# KiCad board Soft_Power_Switch_panelized.kicad_pcb (continued)
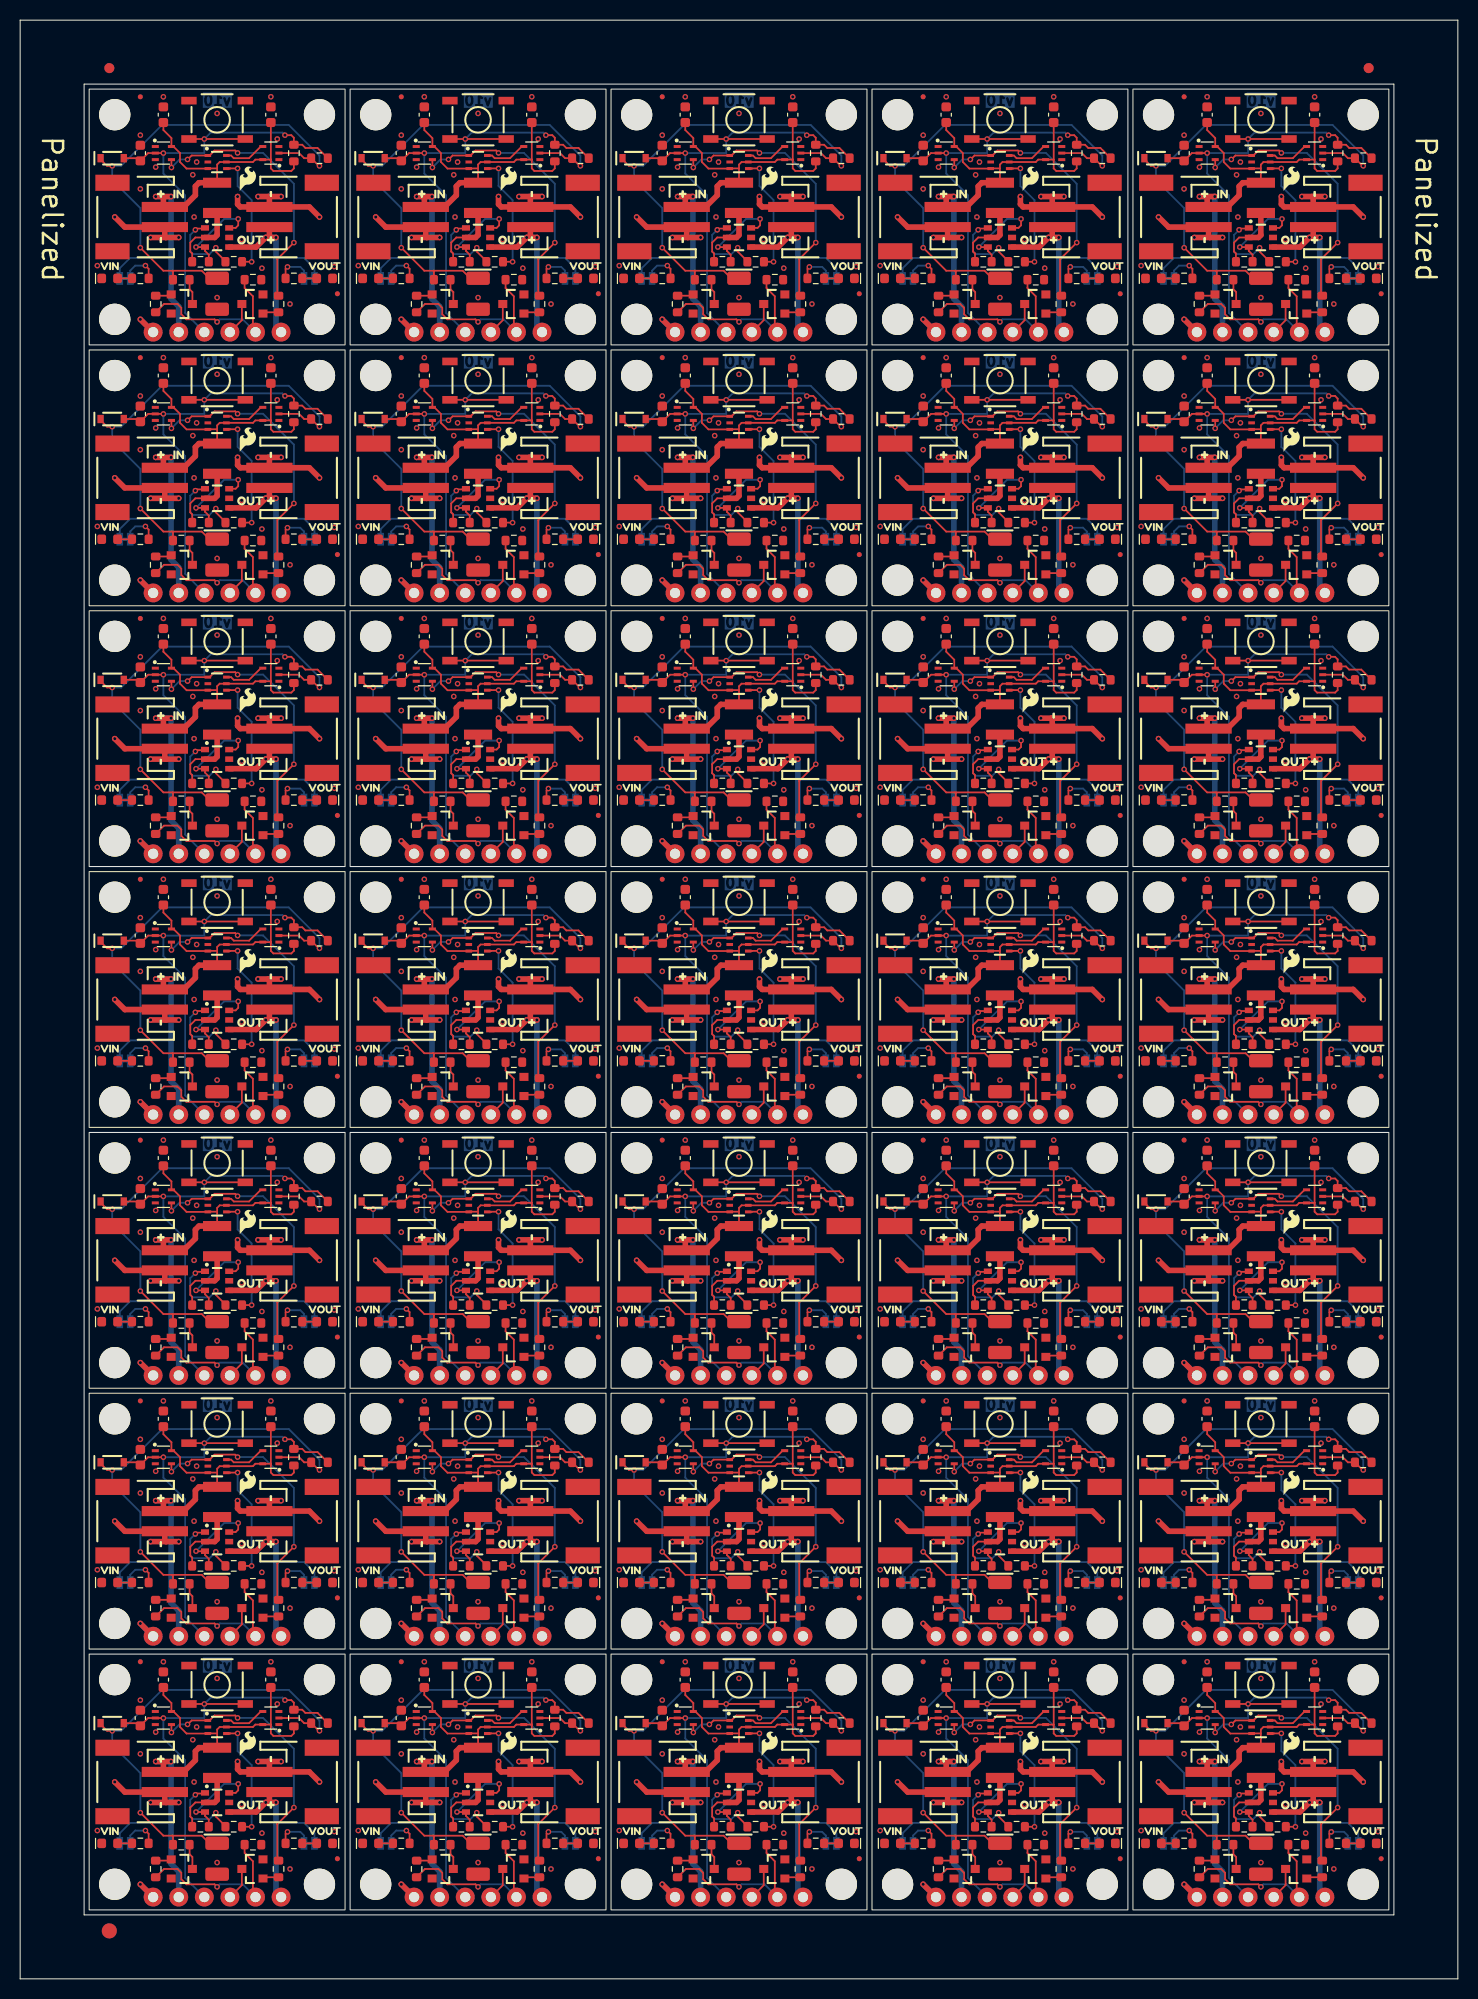
[diagram p0: board, top side]
## Routing (per net, layer and track width the routed paths; a pad name or vN(x,y) marks a point on that pad's centre or on a via; arc(x,y) is an arc through that point) (continued)
  Bottom w0.178: JP2#22.2 81.01,92.16 79.99,93.19 77.19,93.19 ; 103.09,170.89 105.89,170.89 106.91,169.86 JP2#31.2 ; JP2#8.2 55.11,143.96 54.09,144.99 51.29,144.99 ; JP2#10.2 132.81,66.26 131.79,67.29 128.99,67.29 ; 25.39,41.39 28.19,41.39 29.21,40.36 JP2#16.2 ; JP2#14.2 29.21,14.46 28.19,15.49 25.39,15.49 ; JP2#18.2 81.01,14.46 79.99,15.49 77.19,15.49 ; 128.99,41.39 131.79,41.39 132.81,40.36 JP2#28.2 ; JP2#33.2 132.81,118.06 131.79,119.09 128.99,119.09 ; JP2#4.2 106.91,66.26 105.89,67.29 103.09,67.29 ; JP2#7.2 55.11,66.26 54.09,67.29 51.29,67.29 ; 103.09,119.09 105.89,119.09 106.91,118.06 JP2#21.2 ; 128.99,144.99 131.79,144.99 132.81,143.96 JP2#23.2 ; 51.29,41.39 54.09,41.39 55.11,40.36 JP2.2 ; 77.19,41.39 79.99,41.39 81.01,40.36 JP2#32.2 ; JP2#3.2 29.21,143.96 28.19,144.99 25.39,144.99 ; JP2#34.2 106.91,14.46 105.89,15.49 103.09,15.49 ; JP2#24.2 132.81,92.16 131.79,93.19 128.99,93.19 ; 103.09,41.39 105.89,41.39 106.91,40.36 JP2#29.2 ; JP2#26.2 55.11,92.16 54.09,93.19 51.29,93.19 ; 77.19,119.09 79.99,119.09 81.01,118.06 JP2#9.2 ; 77.19,144.99 79.99,144.99 81.01,143.96 JP2#27.2 ; JP2#6.2 132.81,169.86 131.79,170.89 128.99,170.89 ; JP2#2.2 29.21,66.26 28.19,67.29 25.39,67.29 ; 51.29,15.49 54.09,15.49 55.11,14.46 JP2#20.2 ; 77.19,67.29 79.99,67.29 81.01,66.26 JP2#5.2 ; 51.29,119.09 54.09,119.09 55.11,118.06 JP2#17.2 ; JP2#35.2 81.01,169.86 79.99,170.89 77.19,170.89 ; JP2#13.2 132.81,14.46 131.79,15.49 128.99,15.49 ; 25.39,119.09 28.19,119.09 29.21,118.06 JP2#15.2 ; 25.39,93.19 28.19,93.19 29.21,92.16 JP2#30.2 ; JP2#11.2 106.91,143.96 105.89,144.99 103.09,144.99 ; 103.09,93.19 105.89,93.19 106.91,92.16 JP2#12.2 ; 51.29,170.89 54.09,170.89 55.11,169.86 JP2#25.2 ; JP2#19.2 29.21,169.86 28.19,170.89 25.39,170.89
  Bottom w0.559: J3#6.1 128.99,86.33 v1(128.99,95.22) v1(127.98,95.22) ; J3#35.1 103.09,164.03 v1(103.09,172.92) v1(102.08,172.92) ; J3#17.1 51.29,8.63 v1(51.29,17.52) v1(50.28,17.52) ; J3#3.1 51.29,34.53 v1(51.29,43.42) v1(50.28,43.42) ; v1(102.08,95.22) v1(103.09,95.22) 103.09,86.33 J3#19.1 ; v1(24.38,95.22) v1(25.39,95.22) 25.39,86.33 J3#26.1 ; J3#23.1 51.29,138.13 v1(51.29,147.02) v1(50.28,147.02) ; J3#14.1 77.19,86.33 v1(77.19,95.22) v1(76.18,95.22) ; v1(76.18,69.32) v1(77.19,69.32) 77.19,60.43 J3#22.1 ; v1(102.08,69.32) v1(103.09,69.32) 103.09,60.43 J3#34.1 ; J3#20.1 77.19,138.13 v1(77.19,147.02) v1(76.18,147.02) ; v1(24.38,69.32) v1(25.39,69.32) 25.39,60.43 J3#29.1 ; J3#13.1 103.09,34.53 v1(103.09,43.42) v1(102.08,43.42) ; J3#16.1 103.09,138.13 v1(103.09,147.02) v1(102.08,147.02) ; v1(50.28,69.32) v1(51.29,69.32) 51.29,60.43 J3#30.1 ; J3#28.1 25.39,164.03 v1(25.39,172.92) v1(24.38,172.92) ; J3#24.1 51.29,112.23 v1(51.29,121.12) v1(50.28,121.12) ; J3#9.1 77.19,34.53 v1(77.19,43.42) v1(76.18,43.42) ; J3#2.1 25.39,8.63 v1(25.39,17.52) v1(24.38,17.52) ; v1(127.98,17.52) v1(128.99,17.52) 128.99,8.63 J3#8.1 ; v1(76.18,17.52) v1(77.19,17.52) 77.19,8.63 J3#12.1 ; v1(127.98,69.32) v1(128.99,69.32) 128.99,60.43 J3#25.1 ; v1(76.18,121.12) v1(77.19,121.12) 77.19,112.23 J3#10.1 ; v1(102.08,17.52) v1(103.09,17.52) 103.09,8.63 J3#18.1 ; v1(24.38,43.42) v1(25.39,43.42) 25.39,34.53 J3#31.1 ; J3#15.1 25.39,138.13 v1(25.39,147.02) v1(24.38,147.02) ; J3#32.1 128.99,164.03 v1(128.99,172.92) v1(127.98,172.92) ; v1(127.98,43.42) v1(128.99,43.42) 128.99,34.53 J3#27.1 ; J3.1 77.19,164.03 v1(77.19,172.92) v1(76.18,172.92) ; J3#11.1 51.29,164.03 v1(51.29,172.92) v1(50.28,172.92) ; J3#7.1 128.99,112.23 v1(128.99,121.12) v1(127.98,121.12) ; J3#33.1 25.39,112.23 v1(25.39,121.12) v1(24.38,121.12) ; J3#21.1 51.29,86.33 v1(51.29,95.22) v1(50.28,95.22) ; J3#5.1 128.99,138.13 v1(128.99,147.02) v1(127.98,147.02) ; J3#4.1 103.09,112.23 v1(103.09,121.12) v1(102.08,121.12)
Net-(C2-Pad1): length 1742.8
  Top w0.178: D1#12.C 7.99,128.87 8.62,128.23 v1(9.14,128.23) ; 15.11,169.62 14.22,169.62 v1(11.93,171.9) 11.99,171.9 ; 15.11,169.62 15.17,169.55 R5#16.1 ; 15.11,169.62 18.03,169.62 18.84,168.81 19.55,168.81 ; 19.55,117 18.84,117 18.03,117.82 15.11,117.82 ; v1(133.31,50.53) 133.25,50.53 R2#17.1 131.79,51.29 131.28,51.8 U3#24.2 ; D1#3.C 7.99,51.17 8.62,50.53 v1(9.14,50.53) ; v1(112.74,76.43) 112.22,76.43 111.59,77.07 D1#13.C ; U3#15.2 79.48,77.7 79.99,77.19 R2#32.1 81.45,76.43 v1(81.51,76.43) ; 63.79,146 v1(63.73,146) 66.02,143.72 66.91,143.72 ; v1(9.14,24.63) 8.62,24.63 7.99,25.27 D1#9.C ; 115.59,68.3 v1(115.53,68.3) 117.82,66.02 118.71,66.02 ; 41,14.22 43.93,14.22 44.74,13.41 45.45,13.41 ; 41,14.22 41.07,14.15 41.07,13.33 ; 41,14.22 40.12,14.22 v1(37.83,16.5) 37.89,16.5 ; v1(86.84,128.23) 86.32,128.23 85.69,128.87 D1#10.C ; 71.35,65.2 70.64,65.2 69.83,66.02 66.91,66.02 ; 66.91,14.22 66.02,14.22 v1(63.73,16.5) 63.79,16.5 ; 66.91,14.22 66.97,14.15 66.97,13.33 ; 66.91,14.22 69.83,14.22 70.64,13.41 71.35,13.41 ; v1(29.71,24.63) 29.65,24.63 28.88,25.39 28.19,25.39 27.68,25.9 U3#25.2 ; 37.89,42.4 v1(37.83,42.4) 40.12,40.12 41,40.12 ; 41,40.12 43.93,40.12 44.74,39.31 45.45,39.31 ; 41,40.12 41.07,40.05 41.07,39.23 ; v1(29.71,180.03) 29.65,180.03 28.88,180.79 28.19,180.79 27.68,181.3 U3#29.2 ; v1(133.31,180.03) 133.25,180.03 R2#23.1 131.79,180.79 131.28,181.3 U3#20.2 ; R5#21.1 92.87,91.85 92.81,91.92 ; R5#20.1 92.87,14.15 92.81,14.22 ; 41,117.82 41.07,117.75 41.07,116.93 ; 41,117.82 40.12,117.82 v1(37.83,120.1) 37.89,120.1 ; 41,117.82 43.93,117.82 44.74,117 45.45,117 ; 19.55,91.11 18.84,91.11 18.03,91.92 15.11,91.92 ; v1(86.84,76.43) 86.32,76.43 85.69,77.07 D1#7.C ; D1#34.C 85.69,102.97 86.32,102.33 v1(86.84,102.33) ; v1(133.31,154.13) 133.25,154.13 R2#21.1 131.79,154.89 131.28,155.4 U3#11.2 ; 66.91,40.12 66.02,40.12 v1(63.73,42.4) 63.79,42.4 ; 66.91,40.12 69.83,40.12 70.64,39.31 71.35,39.31 ; 66.91,40.12 66.97,40.05 66.97,39.23 ; v1(107.41,128.23) 107.35,128.23 R2#3.1 105.89,128.99 105.38,129.5 U3#6.2 ; v1(55.61,76.43) 55.55,76.43 54.78,77.19 54.09,77.19 53.58,77.7 U3#27.2 ; v1(81.51,180.03) 81.45,180.03 R2#16.1 79.99,180.79 79.48,181.3 U3#13.2 ; U3#35.2 53.58,181.3 54.09,180.79 54.78,180.79 55.55,180.03 v1(55.61,180.03) ; 89.69,42.4 v1(89.63,42.4) 91.92,40.12 92.81,40.12 ; 37.89,94.2 v1(37.83,94.2) 40.12,91.92 41,91.92 ; 118.71,117.82 121.63,117.82 122.44,117 123.15,117 ; 118.71,117.82 118.77,117.75 R5#15.1 ; 118.71,117.82 117.82,117.82 v1(115.53,120.1) 115.59,120.1 ; U3#23.2 27.68,129.5 28.19,128.99 28.88,128.99 29.65,128.23 v1(29.71,128.23) ; 97.25,117 96.54,117 95.73,117.82 92.81,117.82 ; 41,143.72 43.93,143.72 44.74,142.91 45.45,142.91 ; 41,143.72 40.12,143.72 v1(37.83,146) 37.89,146 ; 41,143.72 41.07,143.65 41.07,142.83 ; 92.81,66.02 92.87,65.95 R5#14.1 ; 92.81,66.02 91.92,66.02 v1(89.63,68.3) 89.69,68.3 ; 92.81,66.02 95.73,66.02 96.54,65.2 97.25,65.2 ; D1#27.C 33.89,154.77 34.52,154.13 v1(35.04,154.13) ; v1(60.94,154.13) 60.42,154.13 59.79,154.77 D1.C ; 63.79,94.2 v1(63.73,94.2) 66.02,91.92 66.91,91.92 ; U3#26.2 131.28,129.5 131.79,128.99 R2#19.1 133.25,128.23 v1(133.31,128.23) ; 97.25,13.41 96.54,13.41 95.73,14.22 92.81,14.22 ; v1(133.31,102.33) 133.25,102.33 R2#12.1 131.79,103.09 131.28,103.6 U3#9.2 ; 66.91,91.92 66.97,91.85 66.97,91.03 ; 66.91,91.92 69.83,91.92 70.64,91.11 71.35,91.11 ; 89.69,16.5 v1(89.63,16.5) 91.92,14.22 92.81,14.22 ; 11.99,94.2 v1(11.93,94.2) 14.22,91.92 15.11,91.92 ; 15.11,14.22 15.17,14.15 R5#13.1 ; 15.11,14.22 14.22,14.22 v1(11.93,16.5) 11.99,16.5 ; 15.11,14.22 18.03,14.22 18.84,13.41 19.55,13.41 ; D1#21.C 85.69,180.67 86.32,180.03 v1(86.84,180.03) ; D1#5.C 7.99,180.67 8.62,180.03 v1(9.14,180.03) ; R5#29.1 15.17,143.65 15.11,143.72 ; v1(81.51,102.33) 81.45,102.33 R2#2.1 79.99,103.09 79.48,103.6 U3#33.2 ; 92.81,117.82 92.87,117.75 R5#7.1 ; 92.81,117.82 91.92,117.82 v1(89.63,120.1) 89.69,120.1 ; v1(60.94,76.43) 60.42,76.43 59.79,77.07 D1#2.C ; R5#11.1 92.87,40.05 92.81,40.12 ; v1(35.04,180.03) 34.52,180.03 33.89,180.67 D1#11.C ; 15.11,143.72 14.22,143.72 v1(11.93,146) 11.99,146 ; 15.11,143.72 18.03,143.72 18.84,142.91 19.55,142.91 ; 41,91.92 43.93,91.92 44.74,91.11 45.45,91.11 ; 41,91.92 41.07,91.85 41.07,91.03 ; U3#5.2 53.58,51.8 54.09,51.29 54.78,51.29 55.55,50.53 v1(55.61,50.53) ; v1(60.94,102.33) 60.42,102.33 59.79,102.97 D1#26.C ; D1#32.C 59.79,51.17 60.42,50.53 v1(60.94,50.53) ; 118.71,40.12 121.63,40.12 122.44,39.31 123.15,39.31 ; 118.71,40.12 118.77,40.05 R5#35.1 ; 118.71,40.12 117.82,40.12 v1(115.53,42.4) 115.59,42.4 ; 118.71,169.62 121.63,169.62 122.44,168.81 123.15,168.81 ; 118.71,169.62 118.77,169.55 R5#32.1 ; 118.71,169.62 117.82,169.62 v1(115.53,171.9) 115.59,171.9 ; 15.11,91.92 15.17,91.85 R5#19.1 ; v1(107.41,50.53) 107.35,50.53 R2#31.1 105.89,51.29 105.38,51.8 U3#12.2 ; D1#19.C 33.89,51.17 34.52,50.53 v1(35.04,50.53) ; 92.81,169.62 91.92,169.62 v1(89.63,171.9) 89.69,171.9 ; 92.81,169.62 92.87,169.55 R5#27.1 ; 92.81,169.62 95.73,169.62 96.54,168.81 97.25,168.81 ; 11.99,42.4 v1(11.93,42.4) 14.22,40.12 15.11,40.12 ; 66.91,143.72 69.83,143.72 70.64,142.91 71.35,142.91 ; 66.91,143.72 66.97,143.65 66.97,142.83 ; 92.81,40.12 95.73,40.12 96.54,39.31 97.25,39.31 ; v1(112.74,180.03) 112.22,180.03 111.59,180.67 D1#14.C ; U3#17.2 105.38,103.6 105.89,103.09 R2#29.1 107.35,102.33 v1(107.41,102.33) ; 115.59,16.5 v1(115.53,16.5) 117.82,14.22 118.71,14.22 ; D1#15.C 7.99,77.07 8.62,76.43 v1(9.14,76.43) ; 63.79,68.3 v1(63.73,68.3) 66.02,66.02 66.91,66.02 ; 66.97,65.13 66.97,65.95 66.91,66.02 ; v1(60.94,180.03) 60.42,180.03 59.79,180.67 D1#29.C ; v1(35.04,76.43) 34.52,76.43 33.89,77.07 D1#28.C ; 92.81,143.72 92.87,143.65 R5#8.1 ; 92.81,143.72 91.92,143.72 v1(89.63,146) 89.69,146 ; 92.81,143.72 95.73,143.72 96.54,142.91 97.25,142.91 ; 97.25,91.11 96.54,91.11 95.73,91.92 92.81,91.92 ; 92.81,91.92 91.92,91.92 v1(89.63,94.2) 89.69,94.2 ; v1(133.31,76.43) 133.25,76.43 R2#11.1 131.79,77.19 131.28,77.7 U3#28.2 ; 118.71,143.72 121.63,143.72 122.44,142.91 123.15,142.91 ; 118.71,143.72 117.82,143.72 v1(115.53,146) 115.59,146 ; 118.71,143.72 118.77,143.65 R5#12.1 ; D1#33.C 7.99,102.97 8.62,102.33 v1(9.14,102.33) ; U3#21.2 53.58,103.6 54.09,103.09 54.78,103.09 55.55,102.33 v1(55.61,102.33) ; v1(107.41,154.13) 107.35,154.13 R2#33.1 105.89,154.89 105.38,155.4 U3#19.2 ; 118.71,66.02 121.63,66.02 122.44,65.2 123.15,65.2 ; 118.71,66.02 118.77,65.95 R5#9.1 ; D1#31.C 33.89,25.27 34.52,24.63 v1(35.04,24.63) ; 45.45,65.2 44.74,65.2 43.93,66.02 41,66.02 ; D1#18.C 111.59,128.87 112.22,128.23 v1(112.74,128.23) ; D1#8.C 111.59,25.27 112.22,24.63 v1(112.74,24.63) ; 115.59,94.2 v1(115.53,94.2) 117.82,91.92 118.71,91.92 ; 41,169.62 43.93,169.62 44.74,168.81 45.45,168.81 ; 41,169.62 41.07,169.55 41.07,168.73 ; 41,169.62 40.12,169.62 v1(37.83,171.9) 37.89,171.9 ; 123.15,13.41 122.44,13.41 121.63,14.22 118.71,14.22 ; v1(112.74,102.33) 112.22,102.33 111.59,102.97 D1#23.C ; R5#28.1 15.17,117.75 15.11,117.82 ; 66.91,117.82 66.97,117.75 66.97,116.93 ; 66.91,117.82 69.83,117.82 70.64,117 71.35,117 ; 66.91,117.82 66.02,117.82 v1(63.73,120.1) 63.79,120.1 ; v1(112.74,154.13) 112.22,154.13 111.59,154.77 D1#16.C ; v1(112.74,50.53) 112.22,50.53 111.59,51.17 D1#17.C ; U3#3.2 27.68,103.6 28.19,103.09 28.88,103.09 29.65,102.33 v1(29.71,102.33) ; v1(29.71,50.53) 29.65,50.53 28.88,51.29 28.19,51.29 27.68,51.8 U3#8.2 ; v1(107.41,76.43) 107.35,76.43 R2#8.1 105.89,77.19 105.38,77.7 U3#32.2 ; v1(86.84,154.13) 86.32,154.13 85.69,154.77 D1#24.C ; v1(86.84,50.53) 86.32,50.53 85.69,51.17 D1#35.C ; 19.55,39.31 18.84,39.31 18.03,40.12 15.11,40.12 ; 15.11,40.12 15.17,40.05 R5.1 ; 66.91,169.62 69.83,169.62 70.64,168.81 71.35,168.81 ; 66.91,169.62 66.97,169.55 66.97,168.73 ; 66.91,169.62 66.02,169.62 v1(63.73,171.9) 63.79,171.9 ; v1(55.61,154.13) 55.55,154.13 54.78,154.89 54.09,154.89 53.58,155.4 U3#34.2 ; R5#23.1 118.77,14.15 118.71,14.22 ; U3#22.2 53.58,25.9 54.09,25.39 54.78,25.39 55.55,24.63 v1(55.61,24.63) ; v1(35.04,128.23) 34.52,128.23 33.89,128.87 D1#4.C ; U3#2.2 79.48,129.5 79.99,128.99 R2#30.1 81.45,128.23 v1(81.51,128.23) ; 15.11,66.02 18.03,66.02 18.84,65.2 19.55,65.2 ; 15.11,66.02 14.22,66.02 v1(11.93,68.3) 11.99,68.3 ; 15.11,66.02 15.17,65.95 R5#18.1 ; 118.71,91.92 118.77,91.85 R5#6.1 ; 118.71,91.92 121.63,91.92 122.44,91.11 123.15,91.11 ; v1(81.51,50.53) 81.45,50.53 R2#14.1 79.99,51.29 79.48,51.8 U3#7.2 ; U3#14.2 79.48,155.4 79.99,154.89 R2#9.1 81.45,154.13 v1(81.51,154.13) ; 15.11,117.82 14.22,117.82 v1(11.93,120.1) 11.99,120.1 ; U3#16.2 105.38,25.9 105.89,25.39 R2#24.1 107.35,24.63 v1(107.41,24.63) ; v1(55.61,128.23) 55.55,128.23 54.78,128.99 54.09,128.99 53.58,129.5 U3.2 ; D1#6.C 7.99,154.77 8.62,154.13 v1(9.14,154.13) ; U3#30.2 131.28,25.9 131.79,25.39 R2#34.1 133.25,24.63 v1(133.31,24.63) ; 41,66.02 40.12,66.02 v1(37.83,68.3) 37.89,68.3 ; 41,66.02 41.07,65.95 41.07,65.13 ; v1(35.04,102.33) 34.52,102.33 33.89,102.97 D1#20.C ; D1#22.C 59.79,128.87 60.42,128.23 v1(60.94,128.23) ; U3#18.2 79.48,25.9 79.99,25.39 R2#4.1 81.45,24.63 v1(81.51,24.63) ; v1(86.84,24.63) 86.32,24.63 85.69,25.27 D1#25.C ; v1(60.94,24.63) 60.42,24.63 59.79,25.27 D1#30.C ; v1(107.41,180.03) 107.35,180.03 R2#20.1 105.89,180.79 105.38,181.3 U3#4.2 ; U3#10.2 27.68,155.4 28.19,154.89 28.88,154.89 29.65,154.13 v1(29.71,154.13) ; U3#31.2 27.68,77.7 28.19,77.19 28.88,77.19 29.65,76.43 v1(29.71,76.43)
  Bottom w0.178: v1(63.73,16.5) 63.73,20.44 60.94,23.23 v1(60.94,24.63) 61.82,24.63 65.89,28.69 78.46,28.69 81.51,25.65 v1(81.51,24.63) ; v1(89.63,171.9) 89.63,175.84 86.84,178.63 v1(86.84,180.03) 87.72,180.03 91.79,184.09 104.36,184.09 107.41,181.05 v1(107.41,180.03) ; v1(63.73,120.1) 63.73,124.04 60.94,126.83 v1(60.94,128.23) 61.82,128.23 65.89,132.29 78.46,132.29 81.51,129.25 v1(81.51,128.23) ; v1(133.31,24.63) 133.31,25.65 130.26,28.69 117.69,28.69 113.62,24.63 v1(112.74,24.63) 112.74,23.23 115.53,20.44 v1(115.53,16.5) ; v1(81.51,154.13) 81.51,155.15 78.46,158.19 65.89,158.19 61.82,154.13 v1(60.94,154.13) 60.94,152.73 63.73,149.94 v1(63.73,146) ; v1(11.93,68.3) 11.93,72.24 9.14,75.03 v1(9.14,76.43) 10.03,76.43 14.09,80.49 26.66,80.49 29.71,77.45 v1(29.71,76.43) ; v1(89.63,16.5) 89.63,20.44 86.84,23.23 v1(86.84,24.63) 87.72,24.63 91.79,28.69 104.36,28.69 107.41,25.65 v1(107.41,24.63) ; v1(89.63,94.2) 89.63,98.14 86.84,100.93 v1(86.84,102.33) 87.72,102.33 91.79,106.39 104.36,106.39 107.41,103.35 v1(107.41,102.33) ; v1(29.71,50.53) 29.71,51.55 26.66,54.59 14.09,54.59 10.03,50.53 v1(9.14,50.53) 9.14,49.13 11.93,46.34 v1(11.93,42.4) ; v1(81.51,102.33) 81.51,103.35 78.46,106.39 65.89,106.39 61.82,102.33 v1(60.94,102.33) 60.94,100.93 63.73,98.14 v1(63.73,94.2) ; v1(37.83,94.2) 37.83,98.14 35.04,100.93 v1(35.04,102.33) 35.93,102.33 39.99,106.39 52.56,106.39 55.61,103.35 v1(55.61,102.33) ; v1(63.73,42.4) 63.73,46.34 60.94,49.13 v1(60.94,50.53) 61.82,50.53 65.89,54.59 78.46,54.59 81.51,51.55 v1(81.51,50.53) ; v1(37.83,16.5) 37.83,20.44 35.04,23.23 v1(35.04,24.63) 35.93,24.63 39.99,28.69 52.56,28.69 55.61,25.65 v1(55.61,24.63) ; v1(115.53,171.9) 115.53,175.84 112.74,178.63 v1(112.74,180.03) 113.62,180.03 117.69,184.09 130.26,184.09 133.31,181.05 v1(133.31,180.03) ; v1(11.93,120.1) 11.93,124.04 9.14,126.83 v1(9.14,128.23) 10.03,128.23 14.09,132.29 26.66,132.29 29.71,129.25 v1(29.71,128.23) ; v1(55.61,180.03) 55.61,181.05 52.56,184.09 39.99,184.09 35.93,180.03 v1(35.04,180.03) 35.04,178.63 37.83,175.84 v1(37.83,171.9) ; v1(55.61,128.23) 55.61,129.25 52.56,132.29 39.99,132.29 35.93,128.23 v1(35.04,128.23) 35.04,126.83 37.83,124.04 v1(37.83,120.1) ; v1(11.93,171.9) 11.93,175.84 9.14,178.63 v1(9.14,180.03) 10.03,180.03 14.09,184.09 26.66,184.09 29.71,181.05 v1(29.71,180.03) ; v1(107.41,154.13) 107.41,155.15 104.36,158.19 91.79,158.19 87.72,154.13 v1(86.84,154.13) 86.84,152.73 89.63,149.94 v1(89.63,146) ; v1(37.83,146) 37.83,149.94 35.04,152.73 v1(35.04,154.13) 35.93,154.13 39.99,158.19 52.56,158.19 55.61,155.15 v1(55.61,154.13) ; v1(115.53,68.3) 115.53,72.24 112.74,75.03 v1(112.74,76.43) 113.62,76.43 117.69,80.49 130.26,80.49 133.31,77.45 v1(133.31,76.43) ; v1(11.93,146) 11.93,149.94 9.14,152.73 v1(9.14,154.13) 10.03,154.13 14.09,158.19 26.66,158.19 29.71,155.15 v1(29.71,154.13) ; v1(29.71,102.33) 29.71,103.35 26.66,106.39 14.09,106.39 10.03,102.33 v1(9.14,102.33) 9.14,100.93 11.93,98.14 v1(11.93,94.2) ; v1(11.93,16.5) 11.93,20.44 9.14,23.23 v1(9.14,24.63) 10.03,24.63 14.09,28.69 26.66,28.69 29.71,25.65 v1(29.71,24.63) ; v1(37.83,42.4) 37.83,46.34 35.04,49.13 v1(35.04,50.53) 35.93,50.53 39.99,54.59 52.56,54.59 55.61,51.55 v1(55.61,50.53) ; v1(55.61,76.43) 55.61,77.45 52.56,80.49 39.99,80.49 35.93,76.43 v1(35.04,76.43) 35.04,75.03 37.83,72.24 v1(37.83,68.3) ; v1(89.63,68.3) 89.63,72.24 86.84,75.03 v1(86.84,76.43) 87.72,76.43 91.79,80.49 104.36,80.49 107.41,77.45 v1(107.41,76.43) ; v1(81.51,76.43) 81.51,77.45 78.46,80.49 65.89,80.49 61.82,76.43 v1(60.94,76.43) 60.94,75.03 63.73,72.24 v1(63.73,68.3) ; v1(89.63,120.1) 89.63,124.04 86.84,126.83 v1(86.84,128.23) 87.72,128.23 91.79,132.29 104.36,132.29 107.41,129.25 v1(107.41,128.23) ; v1(107.41,50.53) 107.41,51.55 104.36,54.59 91.79,54.59 87.72,50.53 v1(86.84,50.53) 86.84,49.13 89.63,46.34 v1(89.63,42.4) ; v1(115.53,94.2) 115.53,98.14 112.74,100.93 v1(112.74,102.33) 113.62,102.33 117.69,106.39 130.26,106.39 133.31,103.35 v1(133.31,102.33) ; v1(115.53,42.4) 115.53,46.34 112.74,49.13 v1(112.74,50.53) 113.62,50.53 117.69,54.59 130.26,54.59 133.31,51.55 v1(133.31,50.53) ; v1(133.31,154.13) 133.31,155.15 130.26,158.19 117.69,158.19 113.62,154.13 v1(112.74,154.13) 112.74,152.73 115.53,149.94 v1(115.53,146) ; v1(133.31,128.23) 133.31,129.25 130.26,132.29 117.69,132.29 113.62,128.23 v1(112.74,128.23) 112.74,126.83 115.53,124.04 v1(115.53,120.1) ; v1(81.51,180.03) 81.51,181.05 78.46,184.09 65.89,184.09 61.82,180.03 v1(60.94,180.03) 60.94,178.63 63.73,175.84 v1(63.73,171.9)
Net-(D2-A): length 50.2
  Top w0.178: D2#34.2 R3#31.2 ; D2#10.2 R3#23.2 ; D2#15.2 R3#33.2 ; D2#27.2 R3#7.2 ; D2#26.2 R3#29.2 ; D2#30.2 R3#4.2 ; D2#24.2 R3#15.2 ; D2#20.2 37,142.95 ; D2#17.2 R3#21.2 ; D2#25.2 R3#20.2 ; D2#18.2 R3#14.2 ; D2#13.2 R3#32.2 ; D2#2.2 R3#19.2 ; D2#16.2 R3#12.2 ; D2#11.2 R3#8.2 ; D2#3.2 R3#24.2 ; D2#29.2 R3#16.2 ; D2#5.2 37,65.25 ; D2#12.2 R3#17.2 ; D2#9.2 R3#35.2 ; D2#28.2 R3#34.2 ; D2#19.2 R3#5.2 ; D2#32.2 R3#6.2 ; D2#23.2 37,168.85 ; D2#8.2 R3#11.2 ; D2#6.2 R3#9.2 ; D2#4.2 R3#28.2 ; D2#31.2 R3#10.2 ; D2#21.2 37,39.35 ; D2#22.2 R3#27.2 ; D2#14.2 R3#13.2 ; D2.2 37,117.05 ; D2#35.2 R3.2 ; D2#33.2 37,91.15 ; D2#7.2 37,13.45
Net-(D3-A): length 50.2
  Top w0.178: D3#25.2 28,91.15 ; D3#20.2 28,142.95 ; D3#4.2 R4#23.2 ; D3#3.2 R4#7.2 ; D3#15.2 53.9,168.85 ; D3#7.2 53.9,91.15 ; D3#2.2 R4#33.2 ; D3#10.2 28,65.25 ; D3#17.2 53.9,142.95 ; D3#24.2 R4#13.2 ; D3#21.2 R4#16.2 ; D3#18.2 53.9,39.35 ; D3#35.2 R4#29.2 ; D3#8.2 R4#28.2 ; D3#11.2 R4#14.2 ; D3#9.2 R4#2.2 ; D3#5.2 28,13.45 ; D3#30.2 53.9,65.25 ; D3.2 R4#11.2 ; D3#29.2 R4#21.2 ; D3#26.2 R4#17.2 ; D3#33.2 R4#30.2 ; D3#19.2 R4#3.2 ; D3#22.2 R4#4.2 ; D3#34.2 53.9,13.45 ; D3#32.2 R4#25.2 ; D3#23.2 R4#24.2 ; D3#31.2 R4#22.2 ; D3#6.2 28,39.35 ; D3#12.2 28,117.05 ; D3#27.2 R4#8.2 ; D3#13.2 28,168.85 ; D3#14.2 53.9,117.05 ; D3#28.2 R4.2 ; D3#16.2 R4#32.2
Net-(JP1-A): length 136.2
  Top w0.178: R3#30.1 38.66,14.41 v1(38.34,14.72) ; R3#25.1 38.66,66.21 v1(38.34,66.52) ; v1(116.04,66.52) 116.35,66.21 R3#34.1 ; 90.46,117.05 90.46,118.01 v1(90.14,118.32) ; v1(38.34,170.12) 38.66,169.81 R3#2.1 ; v1(12.44,66.52) 12.75,66.21 R3#13.1 ; v1(12.44,170.12) 12.75,169.81 R3#15.1 ; v1(64.24,66.52) 64.56,66.21 64.56,65.25 ; v1(116.04,92.42) 116.35,92.11 R3#5.1 ; R3#22.1 38.66,92.11 v1(38.34,92.42) ; 90.46,65.25 90.46,66.21 v1(90.14,66.52) ; 64.56,142.95 64.56,143.91 v1(64.24,144.22) ; R3#9.1 12.75,143.91 v1(12.44,144.22) ; v1(38.34,40.62) 38.66,40.31 R3#26.1 ; 64.56,117.05 64.56,118.01 v1(64.24,118.32) ; v1(38.34,118.32) 38.66,118.01 R3#18.1 ; 64.56,168.85 64.56,169.81 v1(64.24,170.12) ; v1(90.14,14.72) 90.46,14.41 90.46,13.45 ; v1(90.14,144.22) 90.46,143.91 90.46,142.95 ; 90.46,91.15 90.46,92.11 v1(90.14,92.42) ; v1(64.24,40.62) 64.56,40.31 64.56,39.35 ; v1(12.44,92.42) 12.75,92.11 R3#32.1 ; v1(64.24,14.72) 64.56,14.41 64.56,13.45 ; v1(38.34,144.22) 38.66,143.91 R3#3.1 ; v1(12.44,118.32) 12.75,118.01 R3#20.1 ; v1(90.14,40.62) 90.46,40.31 90.46,39.35 ; R3#11.1 116.35,40.31 v1(116.04,40.62) ; R3#10.1 116.35,14.41 v1(116.04,14.72) ; 64.56,91.15 64.56,92.11 v1(64.24,92.42) ; 90.46,168.85 90.46,169.81 v1(90.14,170.12) ; v1(12.44,14.72) 12.75,14.41 R3#14.1 ; v1(12.44,40.62) 12.75,40.31 R3#24.1 ; R3#27.1 116.35,143.91 v1(116.04,144.22) ; v1(116.04,118.32) 116.35,118.01 R3#21.1 ; v1(116.04,170.12) 116.35,169.81 R3#33.1
  Bottom w0.178: JP1#16.1 10.93,91.93 11.42,92.42 v1(12.44,92.42) ; v1(116.04,14.72) 115.02,14.72 114.53,14.23 JP1#14.1 ; v1(38.34,144.22) 37.32,144.22 36.83,143.73 JP1#11.1 ; v1(64.24,40.62) 63.22,40.62 62.73,40.13 JP1#8.1 ; v1(90.14,118.32) 89.12,118.32 88.63,117.83 JP1#27.1 ; v1(116.04,118.32) 115.02,118.32 114.53,117.83 JP1#19.1 ; v1(116.04,40.62) 115.02,40.62 114.53,40.13 JP1#6.1 ; v1(90.14,92.42) 89.12,92.42 88.63,91.93 JP1#13.1 ; v1(38.34,40.62) 37.32,40.62 36.83,40.13 JP1.1 ; v1(116.04,170.12) 115.02,170.12 114.53,169.63 JP1#32.1 ; JP1#23.1 36.83,117.83 37.32,118.32 v1(38.34,118.32) ; JP1#34.1 36.83,66.03 37.32,66.52 v1(38.34,66.52) ; v1(64.24,92.42) 63.22,92.42 62.73,91.93 JP1#35.1 ; v1(64.24,144.22) 63.22,144.22 62.73,143.73 JP1#7.1 ; JP1#20.1 10.93,66.03 11.42,66.52 v1(12.44,66.52) ; v1(90.14,66.52) 89.12,66.52 88.63,66.03 JP1#28.1 ; JP1#3.1 10.93,169.63 11.42,170.12 v1(12.44,170.12) ; v1(38.34,14.72) 37.32,14.72 36.83,14.23 JP1#22.1 ; JP1#15.1 10.93,143.73 11.42,144.22 v1(12.44,144.22) ; JP1#12.1 88.63,40.13 89.12,40.62 v1(90.14,40.62) ; JP1#30.1 62.73,117.83 63.22,118.32 v1(64.24,118.32) ; JP1#2.1 88.63,14.23 89.12,14.72 v1(90.14,14.72) ; JP1#31.1 10.93,40.13 11.42,40.62 v1(12.44,40.62) ; JP1#29.1 114.53,143.73 115.02,144.22 v1(116.04,144.22) ; v1(64.24,66.52) 63.22,66.52 62.73,66.03 JP1#4.1 ; v1(116.04,92.42) 115.02,92.42 114.53,91.93 JP1#33.1 ; JP1#26.1 36.83,91.93 37.32,92.42 v1(38.34,92.42) ; JP1#24.1 88.63,143.73 89.12,144.22 v1(90.14,144.22) ; JP1#18.1 10.93,14.23 11.42,14.72 v1(12.44,14.72) ; JP1#10.1 114.53,66.03 115.02,66.52 v1(116.04,66.52) ; JP1#9.1 62.73,169.63 63.22,170.12 v1(64.24,170.12) ; v1(12.44,118.32) 11.42,118.32 10.93,117.83 JP1#17.1 ; JP1#21.1 36.83,169.63 37.32,170.12 v1(38.34,170.12) ; JP1#25.1 62.73,14.23 63.22,14.72 v1(64.24,14.72) ; v1(90.14,170.12) 89.12,170.12 88.63,169.63 JP1#5.1
